# Allegro board HI3516ADMEB_VER_C_PCB.brd (continued)
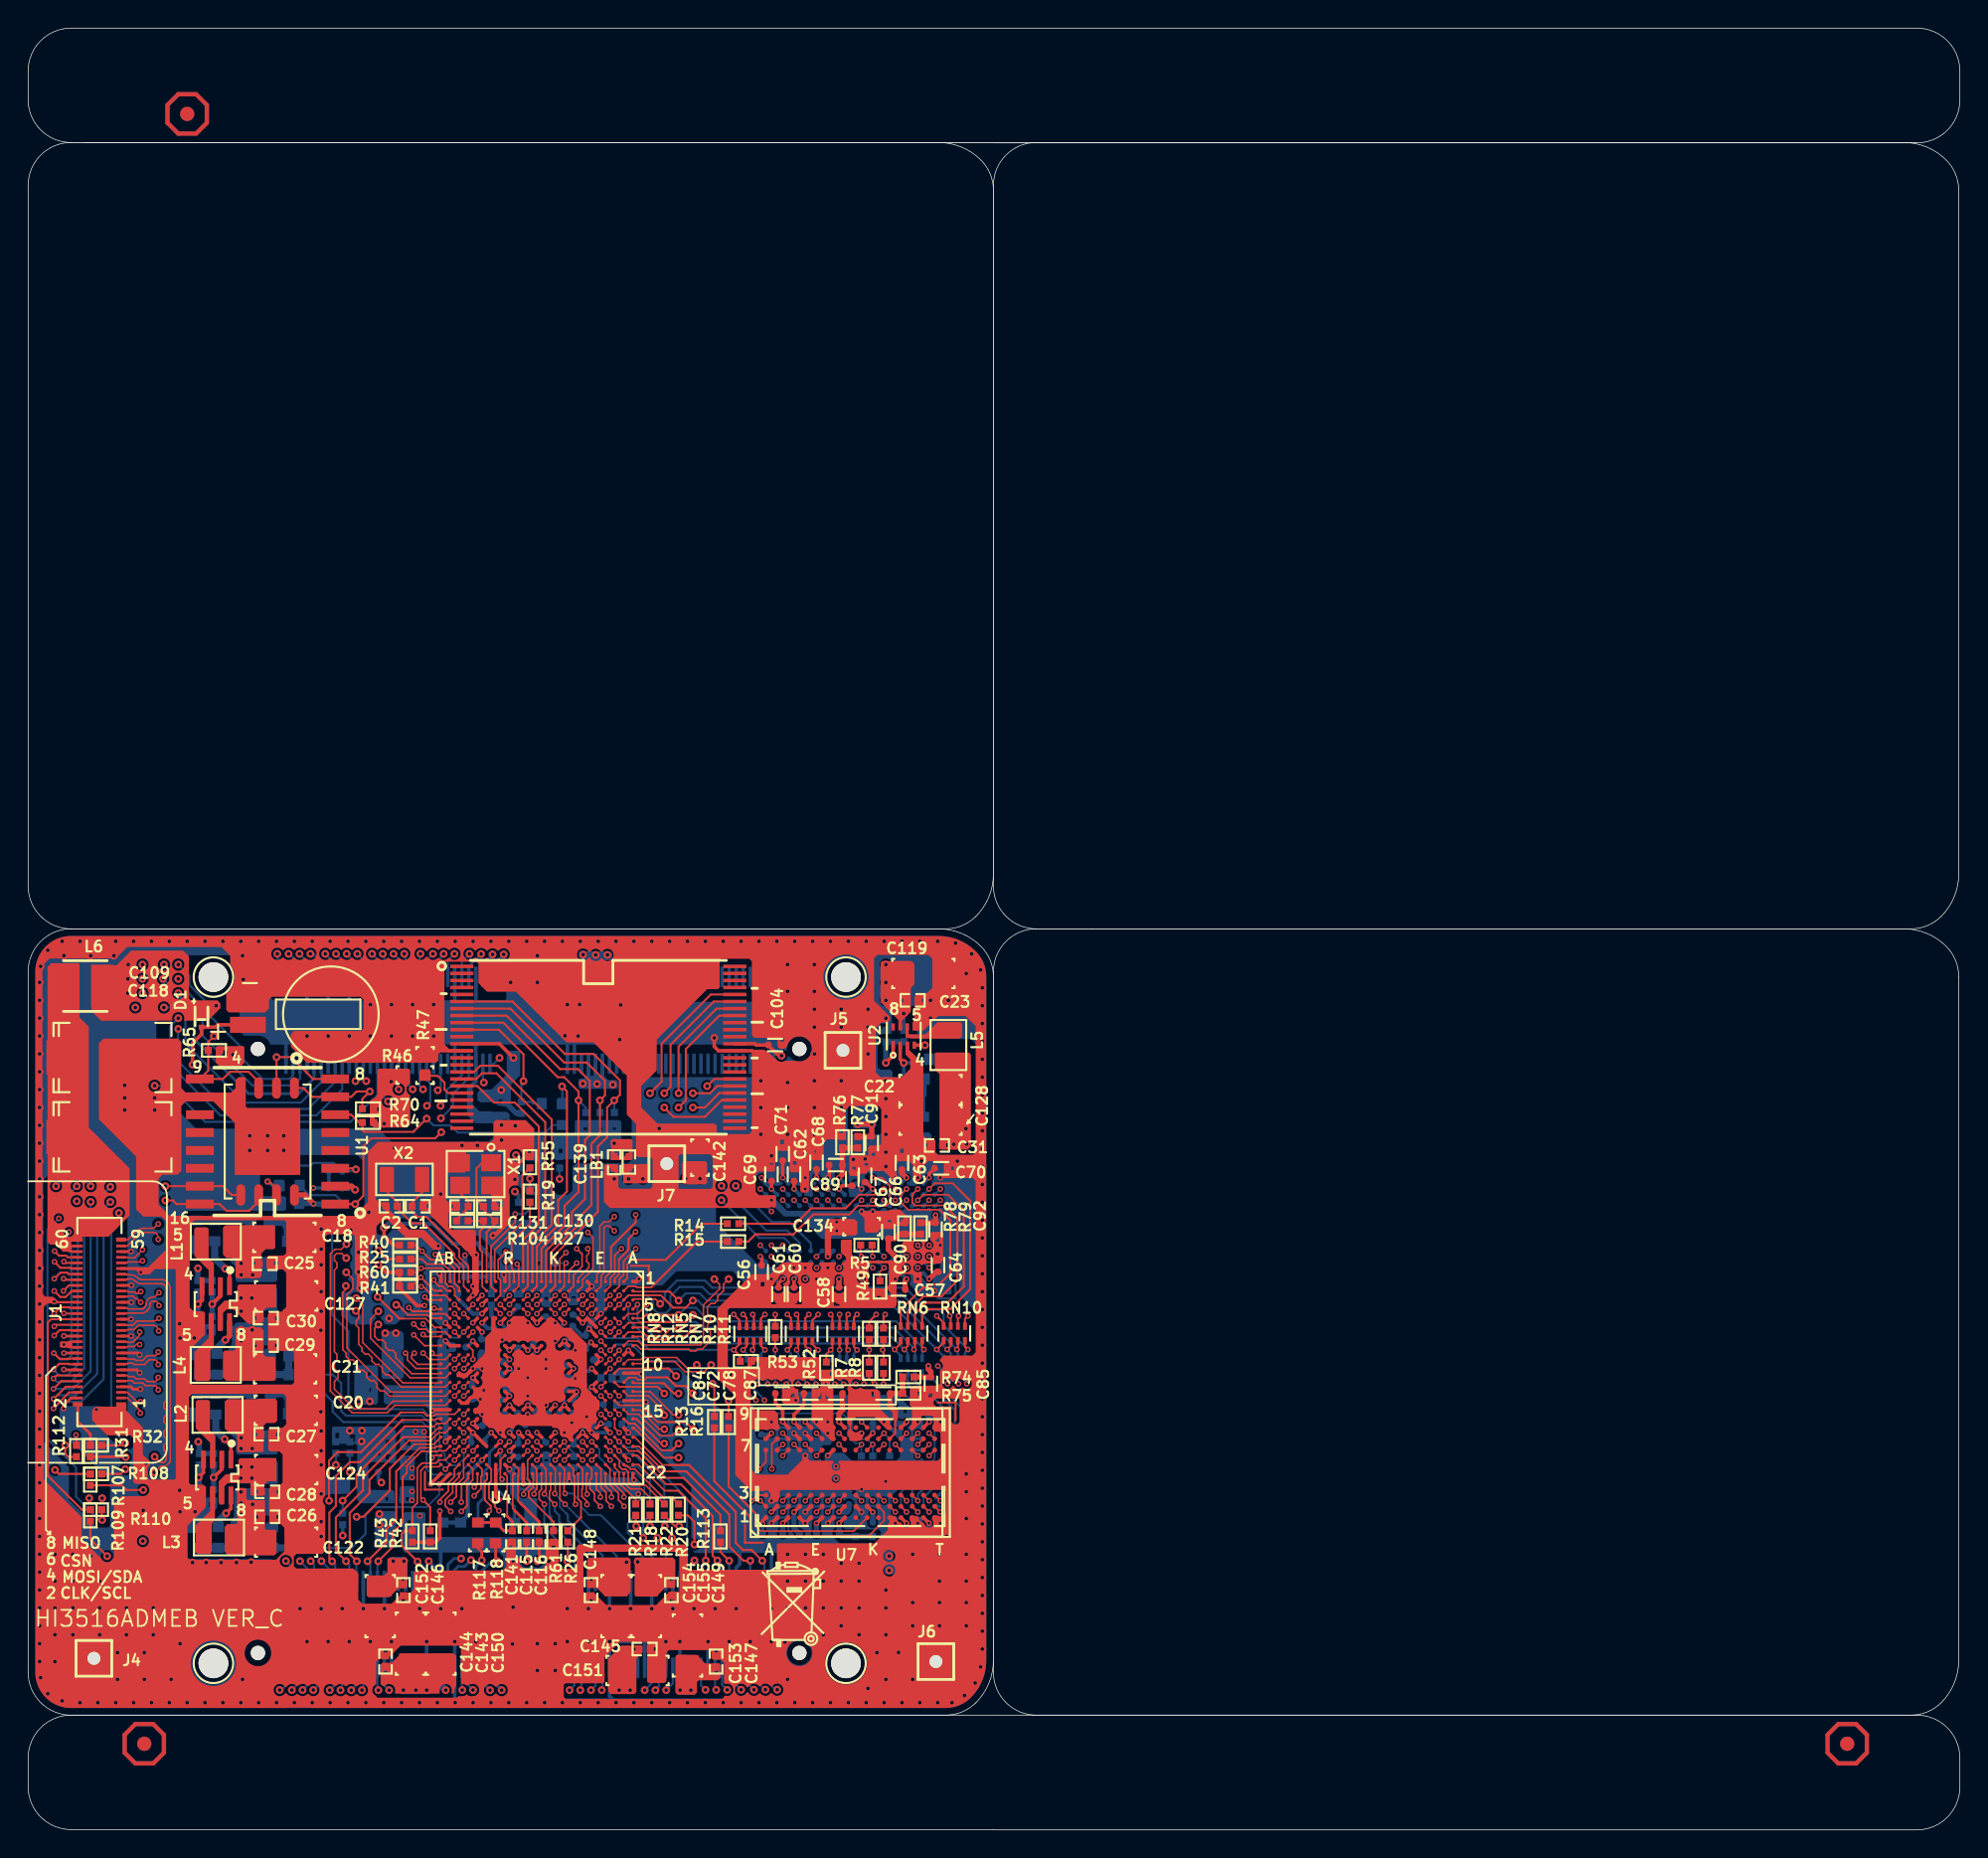
[diagram p0: board, top side]
## Routing (per net, layer and track width the routed paths; a pad name or vN(x,y) marks a point on that pad's centre or on a via; arc(x,y) is an arc through that point) (continued)
RGMII_TXD2: length 18.1
  TOP w0.152: v1(46.27,21.59) 45.97,21.59 R22.1
  ART06 w0.127: v1(52.4,9.96) 51.94,10.42 51.94,14.88 49.28,17.55 48.02,17.55 46.27,19.3 v1(46.27,21.59)
  BOTTOM w0.152: v1(52.4,9.96) 51.82,10.54 J2.115
RGMII_TXD3: length 16.8
  ART06 w0.127: v1(43.71,20.75) 43.71,20.5 44.78,19.43 44.78,18.96 47.8,15.94 47.8,14.93 48.97,13.76 48.97,10.67 v1(49.68,9.95)
  BOTTOM w0.152: R23.1 43.71,21.87 v1(43.71,20.75) ; v1(49.68,9.95) 49.32,10.31 J2.105
SD0_LED: length 32
  TOP w0.13: v2(31.61,33.43) 31.61,34.08 U4.W8
  ART03 w0.127: v1(29.31,51.46) 29.64,51.13 34.27,51.13 35.18,50.21 35.18,45.04 34.82,44.69 33.59,44.69 29.64,40.74 29.64,39.29 29.29,38.94 29.29,35.75 v2(31.61,33.43)
  BOTTOM w0.152: J3.51 30.82,53.65 29.73,52.56 29.73,51.88 v1(29.31,51.46)
SD1_LED: length 28.3
  TOP w0.127: U4.Y4 v2(30.31,37.33)
  ART03 w0.127: v2(30.31,37.33) 30.31,40.63 33.98,44.31 35.11,44.31 36.27,45.47 36.27,49.76 34.49,51.53 30.45,51.53 30,51.99 28.88,51.99 v1(28.35,51.46)
  BOTTOM w0.152: v1(28.35,51.46) 28.57,51.69 28.57,53.03 28.32,53.29 J3.41
SDIO0_CARD_DETECT: length 21.6
  TOP w0.127: U4.N19 v2(35.51,27.58)
  ART06 w0.127: v2(35.51,27.58) 35.03,27.1 35.03,25.42 34.46,24.85 34.46,24.44 34,23.99 34,20.99 32.82,19.81 32.82,13.28 30.86,11.32 v1(30.86,9.94)
  BOTTOM w0.152: v1(30.86,9.94) 30.82,9.97 J2.51
SDIO0_CARD_POWER_EN: length 20.8
  TOP w0.127: U4.N20 v2(35.51,26.93)
  ART06 w0.127: v1(31.62,9.94) 31.62,11.3 33.83,13.51 33.83,20.11 34.38,20.66 34.38,23.96 34.79,24.37 34.79,24.78 35.51,25.5 v2(35.51,26.93)
  BOTTOM w0.152: J2.53 31.32,10.23 v1(31.62,9.94)
SDIO0_CCLK_OUT: length 8.7
  TOP w0.127: U4.L22 36.48,24.19 36.32,24.03 36.32,23.51 v2(36.69,23.14)
  BOTTOM w0.152: J2.64 38.82,19.36 36.69,21.5 v2(36.69,23.14)
SDIO0_CCMD: length 20.3
  TOP w0.127: v2(35.21,23.84) 35.21,24.04 35.64,24.47 35.64,24.81 35.5,24.95 35.5,26.27 U4.M20
  ART06 w0.127: v2(35.21,23.84) 35.21,22.33 37.86,19.68 37.86,18.84 39.24,17.45 v1(39.24,9.93)
  BOTTOM w0.152: v1(39.24,9.93) 39.32,10.01 J2.65
SDIO0_CDATA0: length 21.8
  TOP w0.127: U4.M19 v2(36.16,26.93)
  ART06 w0.127: v2(36.16,26.93) 35.77,26.54 35.77,24.59 35.4,24.22 35.03,24.22 34.82,24.01 34.82,22.18 37.48,19.52 37.48,18.55 38.86,17.17 38.86,10.31 v1(38.48,9.93)
  BOTTOM w0.152: v1(38.48,9.93) 38.82,10.27 J2.63
SDIO0_CDATA1: length 9.5
  TOP w0.127: v2(36.69,23.87) 36.69,24.04 36.8,24.15 36.8,25.64 U4.L21
  BOTTOM w0.127: v2(36.69,23.87) 37.05,23.51 37.05,22.41 37.17,22.29 37.17,22.27
  BOTTOM w0.152: 37.17,22.27 37.17,21.73 39.32,19.58 J2.66
SDIO0_CDATA2: length 21
  TOP w0.127: U4.L20 v2(36.16,26.28)
  ART06 w0.127: v2(36.16,26.28) 36.16,24.62 35.58,24.04 35.58,22.53 40.44,17.67 40.44,10.37 v1(40.01,9.93)
  BOTTOM w0.152: v1(40.01,9.93) 40.32,10.25 J2.69
SDIO0_CDATA3: length 19.9
  TOP w0.127: v2(35.95,23.87) 35.95,24.02 36.15,24.22 36.15,25.64 U4.M21
  ART06 w0.127: v2(35.95,23.87) 35.95,22.7 40.82,17.83 40.82,9.99 v1(40.77,9.93)
  BOTTOM w0.152: J2.71 40.82,9.99 v1(40.77,9.93)
SDIO0_CWPR: length 4.9
  TOP w0.127: U4.M22 35.9,25.24 35.9,24.36 35.58,24.04 35.58,23.65 36.24,22.99 36.46,22.77 36.46,22.77 36.96,22.27
  TOP w0.152: R61.1 37.34,21.89 36.96,22.27
SDIO0_VOUT: length 18.3
  TOP w0.254: U4.M18 v2(35.51,28.23)
  ART06 w0.254: v1(43.32,19.05) 43.32,19.31 41.91,20.72 41.91,23.9 40.51,25.3 40.51,28.42 40.11,28.83 39.52,28.83 38.86,29.49 36.77,29.49 v2(35.51,28.23)
  BOTTOM w0.254: v1(43.32,19.05) 43.32,19.05 J2.82
SDIO1_CARD_DETECT: length 22.9
  TOP w0.127: U4.J20 v2(37.46,26.28)
  ART06 w0.127: v1(48.14,9.95) 47.1,11 47.1,13.75 38.53,22.32 38.53,24.1 37.46,25.17 v2(37.46,26.28)
  BOTTOM w0.152: v1(48.14,9.95) 47.82,10.27 J2.99
SDIO1_CARD_POWER_EN: length 11.6
  TOP w0.127: U4.J21 38.12,25.62 38.12,24.93 38.09,24.9 38.09,23.97 v2(38.16,23.9)
  BOTTOM w0.127: 40.69,22.37 39.88,22.37 39.53,22.72 39.3,22.95 39.3,23.3 38.69,23.9 38.56,23.9 v2(38.16,23.9)
  BOTTOM w0.152: 40.69,22.37 43.82,19.24 J2.84
SDIO1_CCLK_OUT: length 9
  TOP w0.127: v2(37.43,23.14) 37.05,23.51 37.05,24.05 37.13,24.13 U4.K22
  BOTTOM w0.152: v2(37.43,23.14) 37.43,22.94 37.43,22.66 37.74,22.35 37.74,21.89 40.32,19.31 J2.70
SDIO1_CCMD: length 9.8
  TOP w0.127: U4.K21 37.46,25.63 37.46,23.94 v2(37.42,23.9)
  BOTTOM w0.127: 38.23,22.5 37.8,22.94 37.8,23.53 v2(37.42,23.9)
  BOTTOM w0.152: 38.23,22.5 38.35,22.38 38.35,21.98 40.82,19.51 J2.72
SDIO1_CDATA0: length 22.8
  TOP w0.127: U4.K20 v2(37.46,26.93)
  ART06 w0.127: v1(45.34,9.93) 45.34,11.68 43.46,13.56 43.46,16.85 37.79,22.51 37.79,24.26 37.08,24.97 37.08,26.56 v2(37.46,26.93)
  BOTTOM w0.152: J2.91 45.82,10.41 v1(45.34,9.93)
SDIO1_CDATA1: length 9.3
  TOP w0.127: U4.J22 37.79,25.3 37.79,23.51 v2(38.16,23.14)
  BOTTOM w0.127: v2(38.16,23.14) 39.03,22.27
  BOTTOM w0.152: 39.03,22.27 41.82,19.48 J2.76
SDIO1_CDATA2: length 23.3
  TOP w0.127: U4.L19 v2(36.16,27.58)
  ART06 w0.127: v1(43.82,9.93) 43.82,11.52 41.91,13.43 41.91,17.32 36.33,22.9 36.33,22.97 36.32,22.98 36.32,24.28 36.55,24.51 36.55,27.19 v2(36.16,27.58)
  BOTTOM w0.152: J2.85 44.32,10.43 v1(43.82,9.93)
SDIO1_CDATA3: length 23.3
  TOP w0.127: U4.K19 v2(37.46,27.58)
  ART06 w0.127: v2(37.46,27.58) 36.81,26.93 36.81,24.53 37.05,24.28 37.05,24.03 37.05,22.72 42.29,17.48 42.29,13.89 44.58,11.6 v1(44.58,9.93)
  BOTTOM w0.152: v1(44.58,9.93) 44.82,10.17 J2.87
SDIO1_CWPR: length 1.8
  TOP w0.127: U4.J19 v2(38.11,27.58)
  BOTTOM w0.127: R62.1 38.79,26.78 38.11,27.45 v2(38.11,27.58)
SDIO1_VOUT: length 14.3
  TOP w0.254: U4.K18 v2(37.46,28.23)
  ART06 w0.254: v1(42.53,19.02) 40.21,21.34 40.21,24.1 38.91,25.4 38.91,28.04 38.29,28.66 37.89,28.66 v2(37.46,28.23)
  BOTTOM w0.254: J2.78 42.32,18.82 v1(42.53,19.02)
SENSOR_CLK: length 38.3
  TOP w0.152: J1.18 2.94,33.49 2.92,33.47 2.24,33.47 v2(1.83,33.88) ; v1(24.89,41.17) 25.5,40.56 R25.1
  ART06 w0.127: v2(2.9,42.49) 7.8,42.49 8.76,43.45 10.24,43.45 11.3,44.51 15.04,44.51 15.84,43.71 20.95,43.71 22.53,42.14 23.93,42.14 v1(24.89,41.17)
  BOTTOM w0.152: v2(2.9,42.49) 2.87,42.47 2.87,41.68 3.07,41.48 3.07,33.7 2.79,33.42 2.29,33.42 v2(1.83,33.88)
SENSOR_RSTN: length 53
  TOP w0.127: U4.Y1 30.63,39.95 29.69,40.89 v2(28.93,40.89)
  TOP w0.152: J1.16 2.9,33.09 2.87,33.12 2.21,33.12 v2(1.8,32.72)
  ART06 w0.127: v1(4.45,45.74) 7.51,48.8 18.48,48.8 18.99,48.3 23.78,48.3 28.75,43.33 28.75,41.07 v2(28.93,40.89)
  BOTTOM w0.152: v1(4.45,45.74) 3.91,46.28 3.28,46.28 2.41,45.41 2.41,43.96 3.53,42.85 3.53,33.04 2.79,32.31 2.22,32.31 1.99,32.54 1.99,32.54 v2(1.8,32.72)
SFC_CLK/SFC_BOOT_MODE: length 64
  TOP w0.152: v1(9.75,44.73) 10.29,44.73 10.54,44.47 U1.16 13.61,44.47 14.1,43.99 15.7,43.99 16.38,44.67 U3.6 ; R19.1 v1(35.66,46.28)
  ART03 w0.127: v1(9.65,61.49) 10.16,60.98 10.92,60.98 11.61,60.3 11.61,58.9 12.32,58.19 12.32,55.83 10.26,53.77 10.26,45.23 v1(9.75,44.73)
  ART06 w0.127: v1(35.66,46.28) 33.17,48.77 33.17,50.65 29.41,54.4 14.45,54.4 11.56,57.3 11.56,60.5 11.07,60.98 10.16,60.98 v1(9.65,61.49)
  BOTTOM w0.152: R57.1 v1(35.66,46.28)
SFC_CSN0: length 18
  TOP w0.152: U1.6 22.96,50.82 23.52,50.26 R64.2 23.75,49.73 23.88,49.6 27.38,49.6 v1(28.32,50.54)
  BOTTOM w0.152: v1(28.32,50.54) 28.8,50.06 30.03,50.06 30.54,49.55 33.1,49.55 36.75,49.55 37.29,50.09 R96.2
SFC_CSN1: length 30.8
  TOP w0.127: U4.R3 v2(34.21,37.98)
  TOP w0.152: U3.1 19.57,52.72 20.19,52.09 U1.7 22.96,52.09 23.34,52.47 v1(24.28,52.47) 23.75,51.94 R70.2
  ART06 w0.127: v1(24.28,52.47) 25.45,53.64 28.83,53.64 31.37,51.1 31.37,48.46 33.69,46.14 33.69,42.91 33.86,42.75 33.86,41.49 33.59,41.22 33.59,40.19 34.21,39.58 v2(34.21,37.98)
SFC_DI_IO1: length 41.3
  TOP w0.127: U4.P3 v2(34.21,37.33)
  TOP w0.152: U3.2 v1(17.65,54.91) 18.69,54.91 20.24,53.36 U1.8
  ART06 w0.127: v1(17.65,54.91) 29.59,54.91 32.47,52.03 33.41,52.03 36.13,49.31 36.13,45.79 35.23,44.88 35.23,43.58 34.67,43.03 34.67,40.69 34.37,40.38 34.37,39.81 34.62,39.56 34.62,37.74 v2(34.21,37.33)
SFC_DO_IO0: length 62.9
  TOP w0.127: U4.R2 34.21,38.64 34.21,39.6 33.96,39.85 v2(33.96,40.41)
  TOP w0.152: U3.5 14.47,45.12 13.84,45.74 U1.15 v1(9.75,45.74)
  ART03 w0.127: v1(10.67,60.47) 11.23,59.92 11.23,58.65 11.94,57.94 11.94,56.13 9.75,53.94 v1(9.75,45.74)
  ART06 w0.127: v2(33.96,40.41) 34.34,40.79 34.34,42.8 34.11,43.03 34.11,46.45 32.41,48.15 32.41,50.72 29.11,54.02 14.15,54.02 11.18,57 11.18,59.97 v1(10.67,60.47)
SFC_HOLD_IO3: length 30.9
  TOP w0.127: U4.R4 v2(33.56,37.33)
  TOP w0.152: v1(29.36,49.58) 28.93,49.15 24.38,49.15 23.83,48.59 23.83,45.06 v1(23.24,44.47) U1.1
  ART06 w0.127: v1(29.36,49.58) 29.83,49.11 29.83,48.93 33.31,45.45 33.31,42.73 33.53,42.52 33.53,41.53 33.36,41.36 33.36,41.35 33.34,41.33 33.34,37.95 33.56,37.73 v2(33.56,37.33)
  BOTTOM w0.152: R131.2 19.99,45.11 21.84,45.11 22.25,44.7 R63.2 v1(23.24,44.47)
SFC_WP_IO2: length 47.4
  TOP w0.127: v2(34.75,40.21) 34.87,40.09 34.87,38.64 U4.P2
  TOP w0.152: v1(13.21,56.41) 12.8,56 R65.1 12.8,53.96 U1.9 13.84,53.36 14.35,53.87 15.67,53.87 16.38,53.16 U3.3
  ART06 w0.127: v2(34.75,40.21) 35.03,40.48 35.03,42.69 35.61,43.28 35.61,44.73 36.51,45.63 36.51,50.48 31.6,55.39 18.59,55.39 17.58,56.41 v1(13.21,56.41)
SHUTTER_TRIG: length 30
  TOP w0.127: U4.W15 v2(30.96,29.53)
  TOP w0.152: v1(8.18,24.15) 6.99,24.15 6.65,24.48 R107.2
  ART06 w0.127: v1(8.18,24.15) 8.69,24.66 11.66,24.66 11.81,24.51 17.35,24.51 20.4,27.56 21.49,27.56 22,27.05 23.95,27.05 26.43,29.52 27.88,29.52 27.99,29.41 29.72,29.41 29.84,29.53 v2(30.96,29.53)
SPI0_CLK/I2C0_SCL: length 49.9
  TOP w0.127: U4.AB2 28.87,38.31 v2(27.91,39.27) 27.28,38.63 R41.2
  TOP w0.152: v2(1.8,29.94) 1.8,29.97 2.92,31.09 J1.6
  ART06 w0.127: v2(27.91,39.27) 27.1,40.08 27.1,42.82 23.95,45.97 22.35,45.97 21.55,46.77 19.46,46.77 19.35,46.66 8.81,46.66 6.88,44.73 5.94,44.73 v1(5.84,44.63)
  BOTTOM w0.152: v2(1.8,29.94) 1.85,29.94 2.33,30.43 3.76,30.43 5.36,32.03 5.36,44.14 v1(5.84,44.63)
SPI0_CSN: length 51.4
  TOP w0.127: U4.Y3 30.31,37.98 30.31,38.43 30.11,38.63 29.86,38.63 29.67,38.83 29.67,39.63 29.39,39.91 v2(27.94,39.91) 27.65,39.62 R60.2
  TOP w0.152: J1.10 2.35,31.89 v2(1.8,31.34)
  ART06 w0.127: v1(4.45,44.63) 5.08,44.63 5.61,45.16 6.67,45.16 8.55,47.04 19.18,47.04 19.29,47.15 22.06,47.15 22.78,46.43 24.03,46.43 27.48,42.98 27.48,42.66 27.48,40.37 v2(27.94,39.91)
  BOTTOM w0.152: v2(1.8,31.34) 3.19,31.34 4.45,32.6 v1(4.45,44.63)
SPI0_MISO: length 54.5
  TOP w0.127: v2(28.83,39.08) 28.83,39.01 29.18,38.66 29.19,38.66 29.2,38.64 29.45,38.64 29.78,38.31 U4.AA2
  TOP w0.152: J1.12 2.02,32.29 v2(1.8,32.08)
  ART06 w0.127: v1(3.45,45.74) 7.52,49.81 18.52,49.81 19.65,48.68 23.94,48.68 29.57,43.05 29.57,41.2 29.49,41.12 29.49,40.41 28.83,39.75 v2(28.83,39.08)
  BOTTOM w0.152: v1(3.45,45.74) 2.9,45.18 2.9,44.17 3.99,43.08 3.99,32.79 3.05,31.85 2.03,31.85 v2(1.8,32.08)
SPI0_MOSI/I2C0_SDA: length 51.8
  TOP w0.127: U4.Y2 30.63,38.5 30.31,38.82 30.31,39.86 29.67,40.51 28.6,40.51 v2(27.99,41.12) 27.81,41.3
  TOP w0.152: R40.2 27.56,41.55 27.81,41.3 ; J1.8 2.68,31.49 1.82,30.63 v2(1.8,30.63)
  ART06 w0.127: v2(27.99,41.12) 27.99,43.01 23.47,47.53 19.13,47.53 19.02,47.42 8.38,47.42 6.65,45.69 v1(5.84,45.69)
  BOTTOM w0.152: v1(5.84,45.69) 5.28,45.13 5.28,44.73 4.9,44.35 4.9,32.41 3.38,30.88 2.06,30.88 v2(1.8,30.63)
SPI1_CLK/I2C1_SCL: length 52.1
  TOP w0.127: 28.65,28.67 28.85,28.67 29.06,28.88 29.65,28.88 U4.AA16
  TOP w0.152: v2(2.52,39.16) 2.59,39.09 J1.46 ; v1(22.35,23.39) 23.34,24.38 23.34,25.24 26.77,28.67 28.65,28.67
  ART06 w0.127: v2(2.52,39.16) 4.93,36.75 4.93,30.63 4.45,30.15 4.45,25.04 3.38,23.98 3.38,23.14 3.94,22.58 6.2,22.58 6.96,21.82 9.7,21.82 10.79,20.72 16.92,20.72 20.6,24.41 21.34,24.41 v1(22.35,23.39)
  BOTTOM w0.152: R114.2 v1(22.35,23.39)
SPI1_CSN0: length 58
  TOP w0.127: U4.Y17 v2(30.96,28.23)
  TOP w0.152: J1.44 2.9,38.69 v2(2.51,38.3)
  ART06 w0.127: v2(2.51,38.3) 4.34,36.47 4.34,30.58 4.06,30.31 4.06,29.31 3,28.24 3,27.81 3.4,27.4 3.4,25.19 2.59,24.38 2.59,22.6 4.16,21.03 9.39,21.03 10.46,19.96 17.83,19.96 20.47,22.6 22.17,22.6 23.11,21.66 23.67,21.66 23.98,21.97 23.98,23.72 22.86,24.84 v1(22.86,25.42) 23.19,25.75 24.27,25.75 26.44,27.92 28.29,27.92 28.88,28.51 30.68,28.51 v2(30.96,28.23)
  BOTTOM w0.152: R130.2 v1(22.86,25.42)
SPI1_MISO: length 50.1
  TOP w0.127: U4.W16 v2(30.96,28.88)
  TOP w0.152: J1.42 3.09,38.29 2.66,37.87 2.29,37.87 v2(1.85,38.3)
  ART03 w0.127: v2(1.85,38.3) 3.07,37.08 3.07,30.94 2.91,30.78 2.91,29.27 2.11,28.47 2.11,26.9 3.29,25.71 3.29,24.62 v1(4.34,23.57)
  ART06 w0.127: v1(4.34,23.57) 5.05,24.28 6.83,24.28 7.49,23.62 10.03,23.62 10.34,23.31 12.29,23.31 13.67,21.94 15.95,21.94 20.45,26.44 21.67,26.44 21.87,26.64 24.08,26.64 26.59,29.14 29.92,29.14 30.04,29.26 30.58,29.26 v2(30.96,28.88)
SPI1_MOSI/I2C1_SDA: length 50
  TOP w0.127: U4.Y16 v2(30.31,28.88)
  TOP w0.152: v2(1.85,39.16) 2.28,39.59 2.79,39.59 2.89,39.49 J1.48
  ART03 w0.127: v1(5.26,23.57) 3.68,25.14 3.68,27.07 2.9,27.86 2.9,28.62 3.29,29.02 3.29,30.62 3.45,30.78 3.45,38.2 2.95,38.71 2.31,38.71 v2(1.85,39.16)
  ART06 w0.127: v1(5.26,23.57) 6.63,23.57 6.96,23.24 9.37,23.24 11.1,21.51 16.54,21.51 20.35,25.32 21.26,25.32 v1(21.87,25.93) 22.2,26.26 24.24,26.26 26.86,28.88 v2(30.31,28.88)
  BOTTOM w0.152: R105.2 v1(21.87,25.93)
SVB_PWM_CPU: length 15.3
  TOP w0.127: U4.AA21 v2(29.66,25.63)
  BOTTOM w0.127: v2(29.66,25.63) 29.18,26.11 29.18,26.59 28.92,26.86 28.92,28.51 27.99,29.44 26.67,29.44
  BOTTOM w0.152: 26.67,29.44 22.58,29.44 22.25,29.77 22.25,31.75 21.64,32.36 R87.1
SVB_PWM_DDR: length 27.4
  TOP w0.127: U4.W19 v2(30.96,26.93)
  BOTTOM w0.127: v2(30.96,26.93) 30.96,26.36 30.51,25.91 30.02,25.91 29.62,26.31 29.62,26.69 29.24,27.07 29.24,28.7 28.04,29.89 26.34,29.89
  BOTTOM w0.152: R81.2 20.45,43.18 20.55,43.28 21.18,43.28 21.59,42.87 21.59,36.6 22.76,35.43 22.76,30.25 23.11,29.89 26.34,29.89
SVB_PWM_MEDIA: length 13.3
  TOP w0.254: U4.AA22 29.26,24.58 v2(29.22,24.58)
  BOTTOM w0.127: 26.67,22.93 28.32,22.93 29.22,23.83 v2(29.22,24.58)
  BOTTOM w0.152: R83.2 22.99,20.04 23.98,21.03 23.98,22.4 24.51,22.93 26.67,22.93
SVB_PWM_VDD: length 17.3
  TOP w0.127: U4.V20 v2(31.61,26.28)
  BOTTOM w0.127: v2(31.61,26.28) 30.57,25.25 28.73,25.25 28.32,25.65 28.32,26.72 28.57,26.97 28.57,28.42 28.02,28.98 26.67,28.98
  BOTTOM w0.152: R86.2 21.08,30.99 21.64,30.43 21.64,29.73 22.39,28.98 26.67,28.98
SYS_RSTN: length 32.9
  TOP w0.127: U4.P4 v2(34.21,36.68)
  ART03 w0.127: v1(33.8,62.22) 33.51,61.92 33.51,56.6 38.53,51.58 38.53,45.06 35.13,41.65 35.13,37.6 v2(34.21,36.68)
  BOTTOM w0.127: C97.1 34.8,37.06 34.42,36.68 v2(34.21,36.68)
  BOTTOM w0.152: J3.60 32.82,61.24 v1(33.8,62.22)
TEMPER_DQ: length 17.1
  TOP w0.127: U4.Y20 v2(30.31,26.28)
  ART06 w0.127: v1(20.84,19.1) 21.33,19.58 24.69,19.58 26.34,21.23 26.34,25.5 26.95,26.11 27.64,26.11 27.79,25.96 28.78,25.96 29.1,26.28 v2(30.31,26.28)
  BOTTOM w0.152: v1(20.84,19.1) 21.32,18.62 J2.14
TEST_MODE: length 9.1
  TOP w0.127: U4.T1 33.16,39.03 33.16,41.21 35.13,43.18 35.13,43.58
  TOP w0.152: R55.1 35.13,46.5 35.13,43.58
UART0_RXD: length 58
  TOP w0.127: v2(30.78,22.63) 31.06,22.91 31.08,22.91 31.19,23.02 31.19,24.46 31.6,24.87 31.6,25.64 U4.W21
  ART03 w0.127: v2(30.78,22.63) 30.51,22.91 30.51,22.92 30.4,23.02 30.4,23.52 30.07,23.85 28.22,23.85 27.74,24.33 27.74,25.8 24.21,29.33 23.88,29.33 23,30.21 23,32.08 19.56,35.53 19.56,43.13 19.03,43.65 19.03,50.87 23.66,55.5 27.71,55.5 28.32,56.11 28.32,61.06 29.19,61.92 29.2,61.92 v1(29.53,62.25)
  BOTTOM w0.152: v1(29.53,62.25) 29.32,62.04 J3.46
UART0_TXD: length 56.7
  TOP w0.127: v2(29.26,23.29) 29.26,23.47 29.87,24.08 29.87,24.67 30.3,25.1 30.3,25.62 U4.Y21
  ART03 w0.127: v1(28.77,62.25) 28.44,61.92 28.42,61.92 27.94,61.44 27.94,56.28 27.53,55.88 23.5,55.88 18.65,51.03 18.65,43.39 19.18,42.86 19.18,35.37 22.62,31.93 22.62,30.01 23.67,28.95 23.83,28.95 26.62,26.16 26.62,23.56 27.13,23.05 29.02,23.05 v2(29.26,23.29)
  BOTTOM w0.152: J3.42 28.32,61.8 v1(28.77,62.25)
UART1_RTSN: length 18
  TOP w0.127: U4.Y19 v2(30.31,26.93)
  ART06 w0.127: v2(30.31,26.93) 28.66,26.93 28.22,26.49 26.7,26.49 25.96,25.75 25.96,21.39 24.53,19.96 20.94,19.96 v1(20.08,19.1)
  BOTTOM w0.152: v1(20.08,19.1) 20.32,18.86 J2.10
UART1_RXD: length 20.2
  TOP w0.127: v2(30.03,22.63) 29.64,23.02 29.64,23.44 30.18,23.98 30.18,24.61 30.63,25.07 U4.Y22
  ART06 w0.127: v2(30.03,22.63) 30.03,21.75 29.43,21.14 29.43,18.18 26.82,15.57 26.82,13.03 v1(23.72,9.93)
  BOTTOM w0.152: J2.23 23.82,10.03 v1(23.72,9.93)
UART1_TXD: length 19.6
  TOP w0.127: v2(30.78,23.29) 30.78,23.68 30.8,23.7 30.8,24.51 31.28,24.99 U4.W22
  ART06 w0.127: v2(30.78,23.29) 30.42,22.92 30.42,21.59 29.81,20.99 29.81,17.96 28.4,16.54 28.4,14.89 27.25,13.74 27.25,12.29 v1(24.89,9.93)
  BOTTOM w0.152: J2.27 24.82,10 v1(24.89,9.93)
USB_DM: length 43.3
  TOP w0.14: v2(33.45,22.68) 33.17,22.96 33.17,23.14 33.03,23.28 32.75,23.56 32.75,24.63 32.91,24.79 32.91,25.63 U4.U21
  ART03 w0.104: v2(33.45,22.68) 33.19,22.95 33.19,23.18 32.97,23.39 32.97,24.1 32.88,24.19 32.08,24.99 29.73,24.99 29.26,25.45 29.26,25.95 29.38,26.07 29.38,26.76 28.78,27.36 28.78,28.58 23.34,34.02 23.34,35.06 21.59,36.81 21.59,43.29 21.34,43.54 21.34,49.68 23.8,52.14 23.8,52.98 v1(24.03,53.21)
  BOTTOM w0.14: v1(24.03,53.21) 23.95,53.21 23.82,53.34 J3.23
USB_DP: length 43.2
  TOP w0.14: U4.U22 32.62,25.27 32.62,24.91 32.46,24.75 32.46,23.44 32.83,23.07 32.88,23.02 32.88,22.78 v2(32.78,22.68)
  ART03 w0.104: v2(32.78,22.68) 32.93,22.83 32.93,23.07 32.72,23.28 32.72,23.99 32.7,24.01 31.98,24.73 29.62,24.73 29.01,25.35 29.01,26.06 29.12,26.17 29.12,26.65 28.52,27.25 28.52,28.47 23.09,33.91 23.09,34.95 21.33,36.7 21.33,43.18 21.32,43.19 21.25,43.27 21.08,43.43 21.08,47.13 20.9,47.3 20.9,47.55 21.08,47.72 21.08,48.03 20.88,48.23 20.88,48.45 21.08,48.65 21.08,48.86 20.88,49.06 20.88,49.28 21.08,49.48 21.08,49.79 21.73,50.44 21.73,50.68 21.9,50.85 22.15,50.85 22.32,51.03 22.32,51.27 22.49,51.44 22.74,51.44 22.91,51.61 22.91,51.86 23.08,52.03 23.33,52.03 23.54,52.25 23.54,52.96 23.29,53.21 v1(23.27,53.21)
  BOTTOM w0.14: v1(23.27,53.21) 23.27,53.29 23.32,53.34 J3.21
USB_OVRCUR: length 56.8
  TOP w0.127: U4.V21 32.25,25.64 32.25,25.18 32.19,25.11 32.19,24.24 31.98,24.03 31.98,24.02 v2(31.7,23.74)
  ART03 w0.127: v2(31.7,23.74) 31.31,23.74 31.3,23.75 30.95,23.75 30.59,24.1 28.5,24.1 28.12,24.48 28.12,26.18 26.62,27.68 26.62,29 19.94,35.68 19.94,43.36 19.41,43.88 19.41,50.71 23.79,55.09 28.3,55.09 29.96,56.76 29.96,61.92 v1(30.3,62.25)
  BOTTOM w0.152: J3.48 29.82,61.78 v1(30.3,62.25)
USB_PWREN: length 50.3
  TOP w0.127: U4.V19 v2(31.61,26.93)
  ART03 w0.127: v2(31.61,26.93) 30.53,25.85 30.12,25.85 29.84,26.13 29.84,26.87 29.29,27.43 29.29,27.45 29.29,27.45 29.29,28.67 24.64,33.32 24.64,34.77 22.07,37.34 22.07,43.71 21.95,43.84 21.95,49.36 24.79,52.21 24.79,53.54 25.55,54.3 28.8,54.3 31.86,57.36 31.86,61.91 v1(32.19,62.24)
  BOTTOM w0.152: J3.54 31.32,61.37 v1(32.19,62.24)
USB_REXT: length 6.8
  TOP w0.203: U4.U20 v2(32.26,26.28)
  BOTTOM w0.305: v2(32.26,26.28) 31.24,25.26 31.24,22.35 R29.1 R30.1
VDAC_CVBS: length 19.2
  TOP w0.203: U4.T20 v2(33.56,26.93)
  ART06 w0.203: v2(33.56,26.93) 33.56,25.78 32.69,24.91 31.42,24.91 30.51,24 29.21,24 28.78,23.57 28.78,21.86 28.47,21.55 v1(28.47,19.1)
  BOTTOM w0.203: v1(28.47,19.1) 28.82,18.75 J2.44 ; v2(33.56,26.93) 33.56,25.69 33.25,25.38 33.25,24.28 34.57,22.96 R51.1
VDAC_IREF: length 8.2
  TOP w0.203: U4.T19 v2(33.56,27.58)
  BOTTOM w0.203: v2(33.56,27.58) 32.79,26.81 32.79,25.85 32.38,25.44 32.38,23.59 31.98,23.19 31.98,21.84 R111.1 R44.1
VI_POWER: length 48.3
  ART03 w0.508: v1(29.68,9.93) 27.49,12.11 19.47,12.11 15.94,15.65 13.15,15.65 8.28,20.52 v1(8.15,20.52)
  ART06 w0.508: v2(2.54,34.49) 2.84,34.49 3.17,34.16 3.17,30.76 3.11,30.7 3.11,29.7 1.92,28.51 1.92,26.73 2.6,26.05 2.6,25.2 2.02,24.62 2.02,22.26 3.89,20.39 8.03,20.39 v1(8.15,20.52)
  BOTTOM w0.254: 29.32,10.45 J2.45
  BOTTOM w0.508: v1(29.68,9.93) 29.32,10.29 29.32,10.45
VO_CLK: length 90.4
  TOP w0.152: v1(38.33,19.1) 38.35,19.12 R26.2
  ART03 w0.127: v1(21.88,62.25) 21.55,61.92 21.46,61.92 15.44,55.9 15.44,54.74 12.57,51.87 12.57,42.14 14.58,40.13 14.58,39.1 14.45,38.97 14.1,38.97 13.97,38.85 13.97,38.59 14.1,38.47 14.45,38.47 14.58,38.34 14.58,38.08 14.45,37.96 14.1,37.96 13.97,37.83 13.97,37.58 14.1,37.45 14.45,37.45 14.58,37.32 14.58,37.07 14.45,36.94 14.1,36.94 13.97,36.81 13.97,36.56 14.1,36.43 14.83,36.43 14.99,36.28 14.99,36.05 14.86,35.93 14.1,35.93 13.97,35.8 13.97,35.54 14.1,35.42 14.45,35.42 14.58,35.29 14.58,33.68 14.45,33.55 14.02,33.55 13.89,33.42 13.89,33.17 14.02,33.04 14.45,33.04 14.58,32.92 14.58,32.59 14.45,32.46 13.34,32.46 13.21,32.33 13.21,32.08 13.34,31.95 14.45,31.95 14.58,31.82 14.58,31.57 14.45,31.44 13.34,31.44 13.21,31.32 13.21,31.06 13.34,30.93 14.45,30.93 14.58,30.81 14.58,30.55 14.45,30.43 13.34,30.43 13.21,30.3 13.21,30.05 13.34,29.92 14.45,29.92 14.58,29.79 14.58,29.46 14.45,29.33 13.35,29.33 13.22,29.21 13.22,28.89 13.35,28.76 15.49,28.76 17.42,26.83 17.42,20.91 18.81,19.52 18.81,18.83 19.12,18.52 29.63,18.52 29.76,18.65 29.76,19.28 29.88,19.4 30.11,19.4 30.26,19.25 30.26,18.65 30.39,18.52 37.75,18.52 v1(38.33,19.1)
  BOTTOM w0.152: J3.18 22.32,61.81 v1(21.88,62.25)
VO_DAT0/BOOT_SEL: length 86.4
  TOP w0.127: U4.H20 v2(38.11,26.28)
  ART03 w0.127: v1(27.88,62.25) 26.7,61.07 26.08,61.07 25.91,60.89 25.91,60.68 26.04,60.56 27.36,60.56 27.48,60.43 27.48,60.18 27.36,60.05 25.86,60.05 25.71,59.9 25.71,59.67 25.84,59.54 26.7,59.54 26.82,59.41 26.82,59.16 26.7,59.03 26.42,59.03 26.29,58.91 26.29,58.65 26.42,58.53 26.7,58.53 26.82,58.4 26.82,57.07 26.7,56.94 26.37,56.94 26.24,57.07 26.24,57.99 26.11,58.11 25.86,58.11 25.73,57.99 25.73,57.07 25.6,56.94 25.35,56.94 25.22,57.07 25.22,57.99 25.1,58.11 24.84,58.11 24.71,57.99 24.71,57.07 24.59,56.94 24.03,56.94 17.54,50.45 17.54,48 18.14,47.41 18.14,42.62 18.8,41.96 18.8,34.47 20.03,33.23 20.03,33.05 19.73,32.75 19.73,32.54 19.89,32.37 20.07,32.37 20.39,32.69 20.57,32.69 21.36,31.9 21.36,29.53 21.49,29.4 21.72,29.4 21.84,29.27 21.84,29.02 21.72,28.89 21.49,28.89 21.36,28.76 21.36,27.76 21.63,27.49 21.81,27.49 22.29,27.97 22.47,27.97 22.65,27.79 22.65,27.61 21.81,26.78 21.81,26.6 21.99,26.42 22.17,26.42 23.01,27.25 23.19,27.25 23.37,27.07 23.37,26.89 22.89,26.41 22.89,26.23 23.07,26.05 23.25,26.05 23.73,26.53 23.91,26.53 24.09,26.35 24.09,26.18 23.61,25.69 23.61,25.51 23.79,25.33 23.97,25.33 24.45,25.82 24.63,25.82 24.81,25.64 24.81,25.46 24.33,24.98 24.33,24.8 25.15,23.97 25.33,23.97 25.87,24.52 26.05,24.52 26.23,24.34 26.23,24.16 25.78,23.71 25.78,23.52 26.53,22.77 28.26,22.77 28.91,22.12 33.55,22.12 34.14,22.71 34.14,24.95 35.07,25.89 37.72,25.89 v2(38.11,26.28)
  BOTTOM w0.152: v1(27.88,62.25) 27.88,62.04 27.82,61.98 J3.40
VO_DAT1/BOOTROM_SEL: length 87.4
  TOP w0.127: U4.H19 v2(38.11,26.93)
  ART03 w0.127: v2(38.11,26.93) 38.48,26.56 38.48,26.13 37.87,25.52 35.2,25.52 34.54,24.86 34.54,23.46 34.67,23.34 35.03,23.34 35.15,23.21 35.15,22.95 35.03,22.83 34.67,22.83 34.54,22.7 34.54,21.87 34.42,21.74 27.02,21.74 25.17,23.59 23.93,23.59 23.46,24.07 23.46,24.24 23.81,24.59 23.81,24.77 23.63,24.95 23.45,24.95 23.1,24.6 22.92,24.6 22.25,25.27 20.78,25.27 20.17,25.88 20.17,27.12 20.45,27.4 20.45,27.75 20.17,28.03 20.17,28.67 20.43,28.93 20.43,29.36 20.17,29.61 20.17,30.22 20.29,30.34 20.83,30.34 20.95,30.47 20.95,30.7 20.8,30.85 20.29,30.85 20.17,30.98 20.17,31.23 20.29,31.36 20.85,31.36 20.98,31.49 20.98,31.72 20.83,31.87 19.54,31.87 19.32,32.09 19.32,33.31 18.41,34.21 18.41,41.66 16.54,43.54 16.54,43.87 16.66,44 17.63,44 17.75,44.12 17.75,44.38 17.63,44.5 16.66,44.5 16.54,44.63 16.54,44.88 16.66,45.01 17.63,45.01 17.75,45.14 17.75,45.39 17.63,45.52 16.66,45.52 16.54,45.65 16.54,46.49 16.66,46.62 17.58,46.62 17.7,46.75 17.7,47 17.58,47.13 16.66,47.13 16.54,47.25 16.54,50.06 21.84,55.37 21.84,57.36 22.08,57.6 22.26,57.6 22.96,56.89 23.14,56.89 23.32,57.07 23.32,57.25 22.62,57.96 22.62,58.14 22.8,58.32 22.98,58.32 23.88,57.41 24.09,57.41 24.26,57.58 24.26,57.76 23.34,58.68 23.34,58.86 24.06,59.58 24.24,59.58 24.76,59.05 24.94,59.05 25.12,59.23 25.12,59.41 24.6,59.94 24.6,60.12 v1(26.73,62.25)
  BOTTOM w0.152: J3.36 26.82,62.16 v1(26.73,62.25)
VO_DAT2: length 87.6
  TOP w0.127: v2(38.9,23.14) 38.83,23.21 38.83,25.1 38.76,25.17 38.76,25.63 U4.H21
  ART03 w0.127: v2(38.9,23.14) 38.62,22.86 38.62,22.74 35.71,19.83 19.08,19.83 17.88,21.03 17.88,26.91 16.51,28.28 16.51,29.14 16.38,29.27 15.29,29.27 15.16,29.4 15.16,29.65 15.29,29.78 16.38,29.78 16.51,29.91 16.51,30.16 16.38,30.29 15.29,30.29 15.16,30.41 15.16,30.67 15.29,30.79 16.38,30.79 16.51,30.92 16.51,31.18 16.38,31.3 15.29,31.3 15.16,31.43 15.16,31.68 15.29,31.81 16.38,31.81 16.51,31.94 16.51,32.19 16.38,32.32 15.29,32.32 15.16,32.45 15.16,32.7 15.29,32.83 16.38,32.83 16.51,32.95 16.51,33.21 16.38,33.33 15.29,33.33 15.16,33.46 15.16,33.72 15.29,33.84 16.38,33.84 16.51,33.97 16.51,39.67 12.95,43.23 12.95,51.71 15.85,54.61 16.69,54.61 17.25,55.17 17.25,56.86 v1(22.64,62.25)